# Altium PCB Quark.PcbDoc (part 2 of 4)
Units mm, origin at the board's own origin, x right, y up, seen from the top; angles counter-clockwise.
Board outline 22.28 x 31.66 mm, 6 copper layers (Top1, Signal2, Power4, Gnd3, Signal5, Bottom6), stack 0.861 mm thick; 123 components, 164 nets, 919 pads, 389 vias.
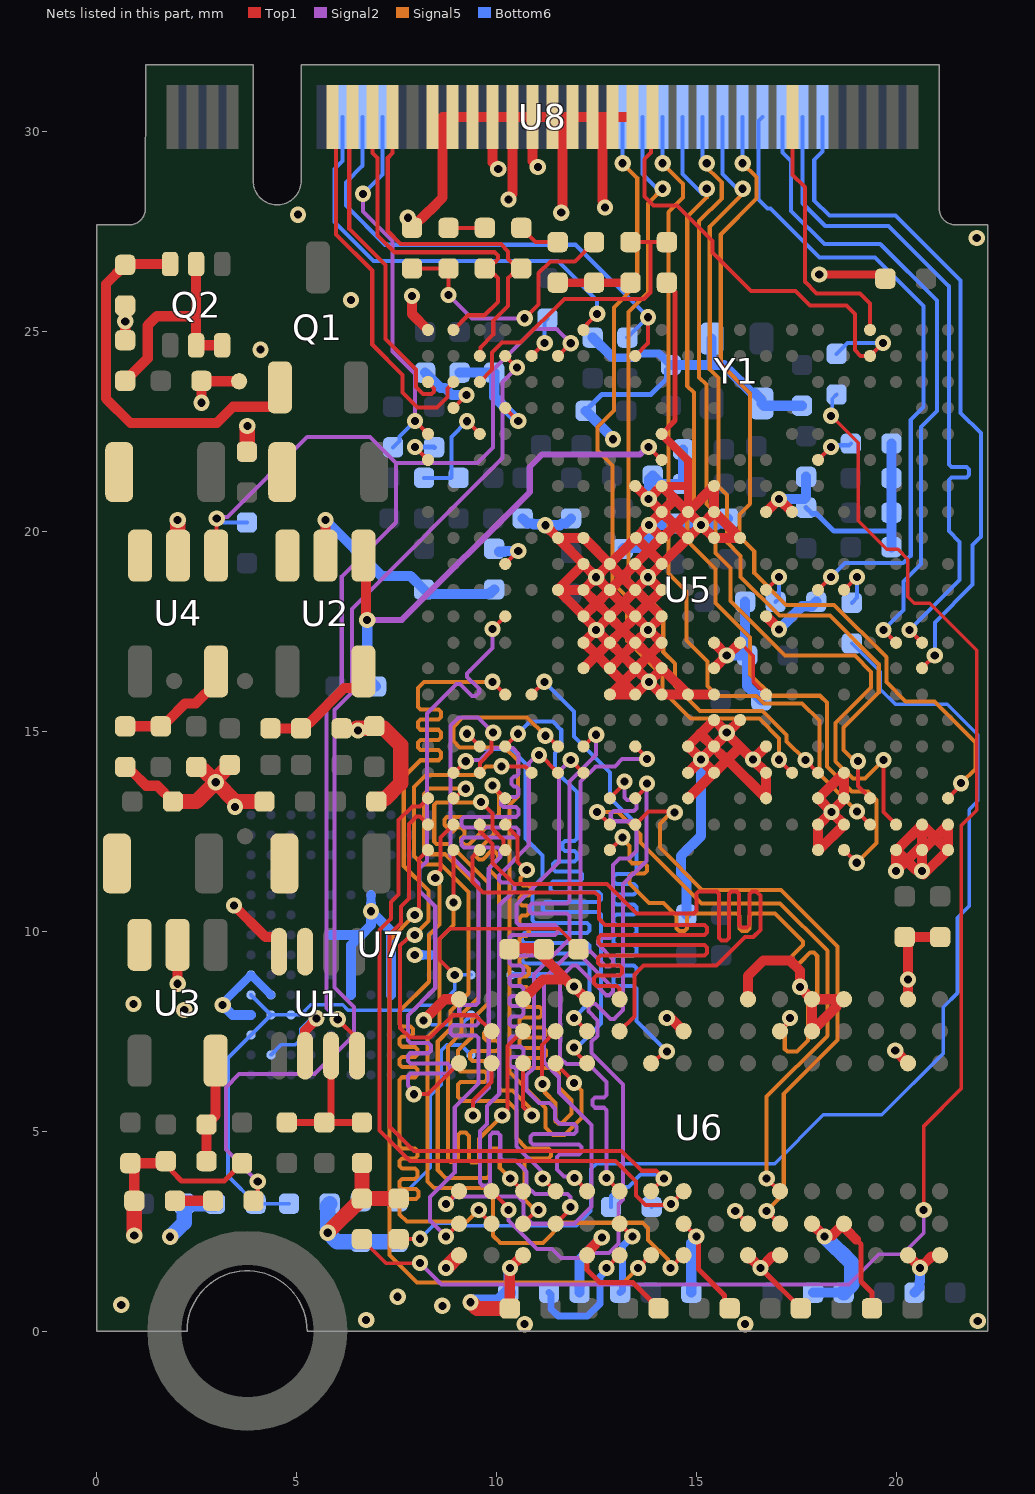
[diagram p6: the nets of this part, all layers, seen from the top]

## Via types
v1: diameter 0.406, hole 0.203, Top1 to Bottom6, tented both sides, 389 vias

## Nets (pads, with @x,y where several pads share a name; then routed paths per layer and width w, separated by ;. In a path a pad name is that pad's centre, name@x,y a point inside that pad or via, vN(x,y) a via of type N, cw(c..) or ccw(c..) an arc to the next point about the centre after c; other vN are vias at no path point) (continued)
GND: C1.1 C2.1 C3.1 C4.1 C6.1 C7.1 C8.1 C9.1 C10.1 C11.1 C13.1 C14.1 C15.1 C16.1 C17.1 C18.1 C19.1 C20.1 C21.1 C22.1 C24.1 C25.1 C26.1 C27.1 C28.1 C29.1 C30.1 C31.2 C32.1 C33.2 C34.1 C35.1 C36.1 C37.2 C38.1 C39.1 C40.1 C41.1 C42.1 C47.1 C48.2 C52.1 C53.1 C54.1 C55.1 C56.1 C57.2 C58.2 C59.1 C60.1 D1.2 D2.2 D3.2 R4.1 R5.1 R10.1 R11.1 R12.2 R13.1 R14.2 R15.2 R16.2 R19.1 R20.2 R32.1 R33.1 R35.1 T1.0 U1.4 U1.6 U2.2 U3.2 U4.2 U5.A20 U5.A21 U5.AA1 U5.B20 U5.B21 U5.C21 U5.E18 U5.E19 U5.E20 U5.F19 U5.F20 U5.F21 U5.G8 U5.H8 U5.H12 U5.H15 U5.H17 U5.H18 U5.H19 U5.J9 U5.J13 U5.J16 U5.K7 U5.K8 U5.K9 U5.K13 U5.K14 U5.K15 U5.K16 U5.K17 U5.K18 U5.L8 U5.L9 U5.L15 U5.L17 U5.L18 U5.L19 U5.M5 U5.M7 U5.M8 U5.M9 U5.M10 U5.M11 U5.M12 U5.M13 U5.M14 U5.M15 U5.N7 U5.N9 U5.N10 U5.N11 U5.N12 U5.N13 U5.N14 U5.N15 U5.P10 U5.P11 U5.P12 U5.P13 U5.P14 U5.P15 U5.R9 U5.R10 U5.R11 U5.R12 U5.R13 U5.R14 U5.T9 U5.T11 U6.A9 U6.B1 U6.B3 U6.B9 U6.D1 U6.D8 U6.E1 U6.E2 U6.E8 U6.F9 U6.G1 U6.G8 U6.G9 U6.J2 U6.J8 U6.M1 U6.M9 U6.P1 U6.P9 U6.T1 U6.T9 U7.A6 U7.C4 U7.E7 U7.G5 U7.H10 U7.J5 U7.K8 U7.N2 U7.N5 U7.P4 U7.P6 U8.27 U8.29 U8.31 U8.33 U8.35 U8.37 U8.39 U8.41 U8.43 U8.45 U8.47 Y1.2 Y1.4 | length 220.1
  Top1 w0.089: C11.1@2.612,23.759 C11.1@2.623,23.749 ; U5.J13@16.079,17.212 16.413,16.878 16.413,16.233 U5.H15@16.729,15.917
  Top1 w0.102: U6.J8@14.668,2.688 v1(14.985,2.37) ; v1(15.957,3.005) U6.G8@16.274,2.688 ; U6.B9@20.261,1.9 v1(20.579,1.583)
  Top1 w0.127: R10.1@1.671,4.201 1.743,4.201 1.875,4.068 1.875,3.997 2.113,3.759 3.186,3.759 C1.1@3.628,4.201 ; U6.M9@12.255,1.9 12.255,1.537 12.577,1.215 13.4,1.215 R19.1@14.041,0.574 ; U5.M5@14.119,22.433 14.453,22.767 14.453,25.975 14.249,26.178 C48.2@14.249,26.213 ; v1(14.985,2.37) 15.037,2.319 15.037,1.549 15.691,0.895 15.691,0.702 C14.1@15.819,0.574 ; v1(16.592,1.583) 17.597,0.577 C16.1@17.597,0.574 ; 18.979,2.294 19.101,2.173 19.101,1.245 19.375,0.97 C15.1@19.375,0.574
  Top1 w0.152: U6.J2@14.579,7.501 U6.J2@14.668,7.501
  Top1 w0.203: U8.39@11.394,30.356 U8.39@11.413,30.337 ; v1(11.608,27.965) v1@11.644,28.001 ; U8.45@12.845,30.308 U8.45@12.894,30.356 ; U5.M7@14.119,21.133 14.754,21.133 14.779,21.158 ; U5.M5@14.119,22.433 14.779,21.773 14.779,21.158 ; U5.L8@14.779,20.483 14.779,21.158 ; v1(18.059,26.416) 19.609,26.416 C52.1@19.71,26.314
  Top1 w0.254: R11.1@0.707,14.107 0.834,13.98 0.889,13.98 1.232,13.637 1.508,13.637 C9.1@1.901,13.244 ; R13.1@0.707,24.775 v1(0.707,25.248) R14.2@0.707,25.644 ; D2.2@0.935,3.261 0.935,4.101 C8.1@0.834,4.201 R10.1@1.671,4.201 ; v1(2.018,8.687) U3.2@2.018,9.658 ; v1@2.612,23.212 v1(2.612,23.214) C11.1@2.612,23.759 ; C11.1@2.623,23.749 T1.0@3.556,23.749 ; v1(3.429,10.643) 4.211,9.86 4.486,9.86 4.553,9.793 U1.4@4.553,9.489 ; U1.6@5.203,6.889 5.203,7.515 5.486,7.798 v1(5.486,7.823) ; U2.2@5.715,19.152 v1(5.715,20.281) ; v1(7.874,25.883) 7.874,25.436 U5.AA1@8.277,25.033 ; R32.1@7.878,27.584 8.31,28.016 8.317,28.016 8.644,28.343 8.644,30.356 U8.29@8.894,30.356 U8.31@9.394,30.356 U8.33@9.894,30.356 ; v1@8.219,7.823 8.697,8.301 U6.T1@9.054,8.301 ; v1@10.008,29.108 9.894,29.222 U8.33@9.894,30.356 ; v1(10.292,28.296) 10.292,28.337 10.394,28.439 U8.35@10.394,30.356 ; C55.1@10.312,9.576 10.947,9.576 11.728,8.796 11.706,8.796 ; C17.1@10.323,0.569 10.323,1.581 v1(10.324,1.583) U6.P9@10.642,1.9 ; U6.P1@10.655,8.301 11.15,8.796 11.706,8.796 ; v1@11.038,29.094 v1(11.024,29.108) 11.024,29.123 10.894,29.253 U8.37@10.894,30.356 ; v1(11.211,20.151) U5.T9@11.528,19.833 U5.R9@12.163,19.833 ; U5.T11@11.55,18.57 U5.R10@12.163,19.183 U5.T9@11.55,19.796 ; v1@11.644,28.001 11.644,30.356 ; U5.R12@12.141,17.92 U5.T11@11.528,18.533 U5.R11@12.163,18.533 ; U5.R14@12.163,16.577 12.493,16.908 ; U5.R13@12.163,17.212 v1(12.481,17.53) ; U5.R10@12.163,19.168 v1(12.481,18.851) ; U5.R13@12.211,17.19 12.493,16.908 ; U5.R9@12.211,19.796 U5.P10@12.824,19.183 ; U6.M9@12.255,1.9 12.255,1.941 12.331,2.018 12.331,2.053 v1(12.624,2.345) ; U6.M1@12.255,8.301 12.242,8.301 v1(11.925,8.618) 11.883,8.618 11.706,8.796 ; v1@12.481,17.555 U5.R12@12.163,17.873 12.493,18.203 ; v1(12.7,28.092) 12.671,28.122 12.671,28.229 12.644,28.257 12.644,30.356 ; U5.P13@12.776,17.19 12.493,16.908 ; U5.P12@12.776,17.92 12.493,18.203 ; U5.P11@12.776,18.486 12.493,18.203 ; U5.P13@12.798,17.212 v1(12.481,17.53) ; U5.P12@12.798,17.847 v1(12.481,17.53) ; U5.P11@12.798,18.533 v1(12.481,18.851) ; U5.P10@12.798,19.168 v1(12.481,18.851) ; U5.P15@12.824,15.917 U5.N15@13.459,15.917 ; U5.P13@12.824,17.212 13.141,17.53 ; U5.P12@12.824,17.873 13.141,18.19 ; U5.P11@12.824,18.533 13.141,18.851 ; U5.P14@12.846,16.53 13.154,16.222 ; U5.P13@12.846,17.19 13.141,16.895 ; U5.P12@12.846,17.825 13.141,17.53 ; U5.P11@12.846,18.486 13.141,18.19 ; U5.P10@12.846,19.146 13.141,18.851 ; U5.P10@12.866,19.22 U5.N9@13.479,19.833 ; U5.P15@12.871,15.939 13.154,16.222 ; U8.47@13.394,30.356 U8.45@12.894,30.356 12.644,30.356 ; U5.N13@13.437,17.19 13.141,16.895 ; U5.N12@13.437,17.825 13.141,17.53 ; U5.N11@13.437,18.491 13.437,18.486 13.141,18.19 ; U5.N10@13.437,19.146 13.141,18.851 ; U5.N14@13.459,16.577 13.141,16.895 ; U5.N10@13.459,19.168 v1(13.776,18.851) ; U5.N10@13.459,19.183 13.794,19.519 ; U5.N7@13.476,21.126 v1(13.794,20.808) ; U5.N14@13.506,16.599 13.801,16.895 ; U5.N13@13.506,17.19 13.801,16.895 ; U5.N12@13.506,17.92 13.789,18.203 ; U5.N11@13.506,18.486 13.789,18.203 ; v1@13.776,16.234 U5.N15@13.459,15.917 ; v1@13.776,17.555 U5.N12@13.459,17.873 13.141,18.19 ; v1@13.801,17.53 U5.M13@14.119,17.212 13.801,16.895 ; v1@13.801,18.866 U5.M10@14.119,19.183 ; v1@13.801,20.151 U5.M9@14.119,19.833 ; U5.M9@14.072,19.796 13.794,19.519 ; U5.M10@14.092,19.22 13.794,19.519 ; U5.M12@14.094,17.847 v1(13.776,17.53) U5.N13@13.459,17.212 13.141,17.53 ; U5.M11@14.094,18.533 v1(13.776,18.851) ; U5.M7@14.111,21.126 v1(13.794,20.808) ; U5.M14@14.119,16.552 v1(13.801,16.234) ; U5.M14@14.119,16.577 13.801,16.895 ; U5.M12@14.119,17.873 13.789,18.203 ; U5.M11@14.119,18.533 13.789,18.203 ; U5.M7@14.119,21.133 U5.L8@14.732,20.52 ; U5.M14@14.166,16.53 U5.L15@14.779,15.917 ; U5.M10@14.166,19.22 U5.L9@14.779,19.833 v1(15.104,20.158) ; U5.M9@14.174,19.863 14.457,20.145 ; v1@14.278,7.802 14.367,7.802 U6.J2@14.668,7.501 ; 14.412,20.766 v1(13.799,20.153) U5.N9@13.479,19.833 ; U5.L9@14.732,19.87 14.457,20.145 ; U5.L19@14.779,13.326 15.342,13.888 U5.K18@15.342,13.945 ; U5.L18@14.779,13.961 v1@15.104,14.286 ; U5.L17@14.779,14.622 v1(15.104,14.296) ; U5.L8@14.779,20.483 U5.K7@15.392,21.096 ; U5.L17@14.816,14.669 U5.K16@15.429,15.282 v1(15.747,14.964) 15.762,14.964 U5.J16@16.079,15.282 ; 15.084,14.939 15.085,14.938 15.415,14.607 15.697,14.326 ; v1@15.112,20.151 U5.K9@15.429,19.833 ; v1@15.119,20.158 15.437,20.476 15.754,20.158 ; U5.K15@15.429,15.917 U5.L15@14.779,15.917 ; U5.K14@15.429,16.577 v1(15.747,16.895) U5.K13@15.429,17.212 ; U5.K8@15.429,20.483 U5.K7@15.429,21.133 ; 15.714,14.342 15.762,14.294 U5.H19@16.729,13.326 U5.H18@16.729,13.961 v1(16.399,14.291) ; v1@15.717,14.909 U5.K17@15.429,14.622 v1(15.104,14.296) ; v1@15.762,16.895 U5.J13@16.079,17.212 ; 15.762,20.151 U5.J9@16.079,19.833 U5.K9@15.429,19.833 ; v1@15.786,14.904 v1(16.399,14.291) ; 16.042,14.574 U5.K18@15.429,13.961 v1@15.104,14.286 ; U6.G9@16.274,1.9 v1(16.592,1.583) 16.88,1.871 17.045,1.871 U6.F9@17.074,1.9 ; U6.G1@16.274,8.301 16.274,8.883 16.662,9.271 17.323,9.271 17.577,9.017 v1(17.577,8.611) 17.577,8.598 U6.E1@17.874,8.301 ; U5.H17@16.729,14.622 v1(16.399,14.291) ; U5.H12@16.729,17.873 v1(17.054,17.548) ; U5.H8@16.729,20.483 v1(17.054,20.808) ; v1@17.062,20.801 U5.G8@17.379,20.483 ; U6.E8@17.874,2.688 v1(18.192,2.37) 18.221,2.399 18.386,2.399 U6.D8@18.674,2.688 ; U5.F21@18.029,12.031 U5.F20@18.029,12.666 18.043,12.666 U5.F20@18.069,12.691 ; U5.F19@18.029,13.326 18.362,12.994 v1(18.362,12.983) ; U5.F21@18.066,12.053 U5.E20@18.679,12.666 v1(18.362,12.983) ; U5.F19@18.066,13.348 U5.E18@18.679,13.961 U5.E19@18.679,13.326 18.679,13.312 18.654,13.287 18.654,13.275 v1(18.362,12.983) ; U5.F20@18.07,12.691 v1(18.362,12.983) ; 18.487,8.114 U6.E2@17.874,7.501 U6.E1@17.874,8.301 ; U6.D1@18.674,8.301 U6.E1@17.874,8.301 ; U6.D8@18.75,2.523 18.979,2.294 ; v1(19.957,7.018) U6.B3@20.274,6.701 ; U5.C21@20.016,12.053 U5.B20@20.629,12.666 ; U6.B9@20.274,1.9 20.278,1.9 20.499,1.679 20.676,1.679 20.867,1.871 21.045,1.871 U6.A9@21.074,1.9 ; U6.B1@20.274,8.301 v1(20.274,8.796) 20.274,9.774 C22.1@20.193,9.855 C21.1@21.082,9.855 ; U5.B21@20.592,12.119 v1(19.979,11.506) U5.C21@19.979,12.031 20.475,11.535 20.6,11.535 v1(20.629,11.506) U5.B21@20.629,12.031 U5.B20@20.629,12.666 ; v1@20.666,11.418 U5.A21@21.279,12.031 ; U5.B21@20.666,12.053 U5.A20@21.279,12.666 U5.A21@21.279,12.156 ; U5.A21@21.242,12.053 U5.B20@20.629,12.666 ; U8.33@9.894,30.356 U8.35@10.394,30.356 ; U8.35@10.394,30.356 U8.37@10.894,30.356 ; U8.37@10.894,30.356 U8.39@11.394,30.356 11.644,30.356 ; 11.644,30.356 U8.41@11.894,30.356 U8.43@12.394,30.356 12.644,30.356 ; U5.R11@12.163,18.533 12.493,18.203 ; U5.R11@12.163,18.533 v1(12.481,18.851) ; 12.493,16.908 U5.P14@12.824,16.577 13.141,16.895 ; 13.141,18.851 U5.N11@13.459,18.533 v1(13.776,18.851) ; 13.154,16.222 13.484,16.552 v1(13.801,16.234) ; 13.154,16.222 U5.N15@13.459,15.917 ; U5.N9@13.479,19.833 13.794,19.519 ; v1(13.794,20.808) U5.M8@14.119,20.483 14.124,20.478 14.457,20.145 ; v1(13.801,16.234) U5.M15@14.119,15.917 U5.L15@14.779,15.917 ; 14.457,20.145 14.787,20.476 v1(15.104,20.158) ; v1@15.104,14.286 v1(15.104,14.296) ; v1(15.104,20.158) U5.K9@15.429,19.833
  Top1 w0.381: v1(0.935,2.393) D2.2@0.935,3.261 ; C9.1@1.901,13.244 2.489,13.244 v1(2.972,13.726) ; v1(2.018,20.281) 2.018,19.402 U4.2@2.028,19.392 ; C4.1@2.485,14.107 2.549,14.044 2.654,14.044 v1(2.972,13.726) ; C6.1@3.324,14.158 2.972,13.806 v1(2.972,13.726) ; C7.1@3.75,21.986 3.76,21.996 v1(3.76,22.631) ; C3.1@4.187,13.244 3.454,13.244 v1(2.972,13.726) ; v1(5.771,2.464) D3.2@6.624,3.317 ; v1@6.497,15.072 7.178,15.072 7.595,14.656 7.595,13.701 7.201,13.307 7.048,13.307 C2.1@6.985,13.244 ; R5.1@6.626,4.204 6.624,4.203 D3.2@6.624,3.317 ; D1.2@7.544,3.317 D3.2@6.624,3.317 ; v1(8.724,1.583) 9.029,1.887 9.035,1.887 9.048,1.9 U6.T9@9.054,1.9 ; v1(9.339,0.726) 9.346,0.726 9.504,0.569 C17.1@10.323,0.569
  Bottom6 w0.089: v1(3.144,8.153) v1@3.144,8.199 ; U7.P6@3.852,8.908 U7.N5@4.352,8.408 ; U7.N2@4.352,6.908 4.604,7.16 4.955,7.16 5.101,7.305 5.101,7.564 v1@5.436,7.899 ; v1(8.169,7.772) 8.255,7.772 8.367,7.66 9.104,7.66 U7.C4@9.352,7.908
  Bottom6 w0.127: C30.1@12.217,23.01 12.624,23.417 13.845,23.417 14.243,23.815 14.243,24.047 C32.1@14.351,24.155 ; v1(12.903,22.301) v1@12.903,22.324 ; C27.1@17.729,20.59 17.88,20.438 17.992,20.438 18.422,20.008 19.863,20.008
  Bottom6 w0.152: U7.A6@10.352,8.908 11.635,8.908 v1(11.925,8.618)
  Bottom6 w0.203: v1@3.144,8.199 U7.P6@3.852,8.908 U7.N5@4.352,8.408 ; 12.865,24.371 12.897,24.339 13.46,24.339 13.565,24.444 14.048,24.444 14.337,24.155 C32.1@14.351,24.155
  Bottom6 w0.23: v1@6.852,10.686 U7.H10@6.852,10.908 ; v1@8.13,9.408 U7.E7@8.352,9.408
  Bottom6 w0.254: v1(3.144,8.153) 3.389,7.908 U7.P4@3.852,7.908 ; v1(5.715,20.281) 7.111,18.885 7.836,18.885 R12.2@8.179,18.542 8.289,18.432 9.792,18.432 9.836,18.476 9.836,18.451 R20.2@9.931,18.546 ; U7.K8@5.852,9.908 6.606,9.908 ; U7.J5@6.352,8.408 6.352,9.654 6.606,9.908 ; v1@6.852,10.686 v1(6.852,10.501) ; U7.G5@7.352,8.408 7.352,10.001 v1(6.852,10.501) ; v1(7.945,9.408) v1@8.13,9.408 ; R16.2@10.287,0.965 10.287,1.504 10.324,1.541 v1(10.324,1.583) ; C47.1@10.643,20.32 10.77,20.193 10.902,20.193 10.918,20.176 11.185,20.176 v1(11.211,20.151) 11.579,20.151 11.621,20.193 11.727,20.193 C41.1@11.854,20.32 ; R15.2@12.065,0.965 12.065,1.786 v1(12.624,2.345) ; C30.1@12.217,23.01 v1@12.903,22.324 ; C10.1@12.395,24.841 12.865,24.371 ; C40.1@13.144,19.558 13.166,19.58 13.586,19.58 13.799,19.794 v1(13.799,20.153) 14.396,20.153 C34.1@14.436,20.193 15.028,20.193 15.063,20.158 v1(15.104,20.158) 15.503,20.158 15.538,20.193 15.652,20.193 C35.1@15.779,20.32 ; v1(13.794,20.808) 13.809,20.823 13.809,21.302 C39.1@13.894,21.387 14.097,21.184 C29.1@14.656,21.184 C37.2@14.656,22.047 ; C32.1@14.351,24.155 15.342,24.155 ; C24.1@14.736,10.414 14.736,11.329 14.602,11.463 14.602,11.884 15.104,12.387 v1(15.104,14.296) ; C20.1@14.859,0.965 14.859,2.202 14.985,2.329 v1(14.985,2.37) ; Y1.2@15.367,24.816 15.367,24.181 15.342,24.155 ; v1(15.747,16.895) C25.1@16.256,16.895 ; C36.1@16.205,18.237 16.205,16.946 C25.1@16.256,16.895 ; C28.1@16.612,15.773 16.256,16.129 C25.1@16.256,16.895 ; v1(17.054,17.548) 17.631,18.125 17.871,18.125 C33.2@17.983,18.237 ; v1(17.054,20.808) 17.684,20.808 17.729,20.853 C26.1@17.729,21.361 ; C31.2@17.628,23.139 16.673,23.139 Y1.4@16.617,23.196 16.617,23.283 16.446,23.455 16.373,23.455 15.672,24.155 15.342,24.155 ; C19.1@17.907,0.965 C13.1@18.669,0.965 ; C42.1@19.863,19.601 19.863,20.008 C38.1@19.863,20.463 C53.1@19.863,21.329 R33.1@19.863,22.192 ; C18.1@20.439,0.965 20.566,1.092 20.566,1.228 20.579,1.241 v1(20.579,1.583) ; 6.606,9.908 6.852,10.154 v1(6.852,10.501)
  Bottom6 w0.381: v1(1.83,2.362) 2.182,2.713 2.182,3.187 R35.1@2.184,3.19 C58.2@2.951,3.19 ; C57.2@5.819,3.19 5.771,3.142 v1(5.771,2.464) 5.778,2.464 6.006,2.235 C60.1@6.599,2.235 C59.1@7.513,2.235 ; v1(9.339,0.726) 10.048,0.726 R16.2@10.287,0.965 ; v1(18.192,2.37) 18.872,1.69 18.872,1.168 C13.1@18.669,0.965
  other v1: 10.693,0.178 16.205,0.178 22.022,0.254 6.731,0.279 8.636,0.635 0.61,0.66 7.518,0.864 14.249,7.831 2.184,8.029 0.914,8.179 3.454,13.109 6.528,15.022 4.089,24.539 6.35,25.781 21.996,27.33 7.772,27.838 5.029,27.915 10.033,29.058
GPIOA10/STATUS-LED: R36.1 U5.E11 | length 1.2
  Top1 w0.102: U5.E11@18.679,18.533 v1(19.004,18.858)
  Bottom6 w0.102: R36.1@18.872,18.212 19.004,18.344 v1(19.004,18.858)
GPIOG11: R38.1 U5.D2 U8.49 | length 11.7
  Top1 w0.102: U8.49@13.853,30.316 13.853,29.464 13.691,29.301 13.691,28.372 13.919,28.143 14.504,28.143 15.392,27.255 15.392,26.97 16.353,26.01 17.466,26.01 17.832,25.644 18.735,25.644 18.948,25.43 18.948,24.527 19.092,24.383 U5.D2@19.329,24.383 v1(19.654,24.708)
  Bottom6 w0.102: R38.1@18.491,24.435 18.765,24.708 v1(19.654,24.708)
GPIOG12/USB0-OTGID: U5.D1 U8.63 | length 6.8
  Top1 w0.102: U8.63@17.394,30.356 17.394,28.911 17.704,28.6 17.704,26.238 17.993,25.949 19.075,25.949 19.329,25.695 U5.D1@19.329,25.033
GPIOL3/K1: U5.R1 U8.18 | length 11
  Top1 w0.102: U5.R1@12.163,25.033 12.163,25.088 12.248,25.173 12.248,25.176 v1(12.506,25.434)
  Bottom6 w0.102: U8.18@6.144,30.356 6.144,29.258 5.944,29.058 5.944,27.732 6.919,26.756 11.521,26.756 12.506,25.772 v1(12.506,25.434)
GPIOL4/RECOVERY: R23.1 U5.N2 U8.20 | length 12.9
  Top1 w0.102: U5.N2@13.459,24.383 13.776,24.701 v1(13.776,25.351)
  Bottom6 w0.102: U8.20@6.644,30.356 6.644,29.138 6.223,28.717 6.223,28.143 7.203,27.163 11.964,27.163 v1(13.776,25.351) 13.267,24.841 R23.1@13.259,24.841
GPIOL8/PWR-STB: R6.1 U1.8 U4.1 U5.T2 | length 30.4
  Top1 w0.102: U4.1@2.978,19.392 2.988,19.401 2.988,20.311 v1(2.997,20.32) ; v1(6.021,7.798) 6.503,7.315 U1.8@6.503,6.889 ; U5.T2@11.528,24.383 v1(11.846,24.701)
  Signal2 w0.102: v1(2.997,20.32) 3.033,20.356 3.261,20.356 5.258,22.352 6.826,22.352 7.473,21.704 ; v1(6.021,7.798) 6.021,7.806 5.74,8.086 5.74,15.748 6.121,16.129 6.121,18.872 7.473,20.224 7.473,21.704 ; v1(11.846,24.701) 11.495,25.051 10.929,25.051 9.906,24.028 9.906,22.098 9.512,21.704 7.473,21.704
  Bottom6 w0.102: 3.181,20.218 R6.1@3.75,20.218
GPIOL9/PWR-DRAM: R1.1 U2.1 U5.M6 | length 13.1
  Top1 w0.102: v1(13.794,22.108) U5.M6@14.119,21.783
  Top1 w0.254: U2.1@6.661,19.392 6.727,19.326 6.727,17.813 v1(6.756,17.784)
  Signal2 w0.152: v1(6.756,17.784) 7.624,17.784 10.82,20.98 10.82,21.606 11.135,21.92 13.578,21.92 13.766,22.108 v1(13.794,22.108)
  Bottom6 w0.254: v1(6.756,17.784) 6.756,16.342 R1.1@6.98,16.119
GPIOL10/PWR-LED: R37.1 U5.V2 | length 26.2
  Top1 w0.102: R37.1@3.917,3.261 4.02,3.365 v1(4.02,3.746) v1@3.962,3.805 ; U5.V2@10.207,24.383 v1(10.499,24.091)
  Signal2 w0.102: v1(4.02,3.746) 3.226,4.541 3.226,6.096 3.556,6.426 5.441,6.426 6.426,7.411 6.426,8.11 5.944,8.593 5.944,15.537 6.375,15.969 6.375,18.059 10.144,21.828 10.144,23.735 v1(10.499,24.091)
I2C0_SCL: U5.F11 U8.60 | length 16.4
  Top1 w0.102: U5.F11@18.029,18.533 v1(18.354,18.858)
  Bottom6 w0.102: U8.60@16.644,30.356 16.544,30.257 16.544,29.557 16.535,29.548 16.535,28.296 16.764,28.067 16.84,28.067 18.059,26.848 19.456,26.848 20.668,25.636 20.668,23.106 20.345,22.784 20.345,19.388 20.158,19.201 18.697,19.201 v1(18.354,18.858)
I2C0_SDA: U5.C13 U8.62 | length 16.2
  Top1 w0.102: v1(19.662,17.53) U5.C13@19.979,17.212
  Bottom6 w0.102: U8.62@17.144,30.356 17.144,29.465 17.354,29.255 17.354,28.011 18.186,27.178 19.583,27.178 20.998,25.764 20.998,23.004 20.599,22.606 20.599,19.177 20.168,18.745 20.168,18.036 v1(19.662,17.53)
I2C1_SCL: U5.B13 U8.64 | length 17.2
  Top1 w0.102: v1(20.312,17.53) U5.B13@20.629,17.212
  Bottom6 w0.102: U8.64@17.644,30.356 17.644,28.2 18.208,27.635 19.787,27.635 21.297,26.124 21.297,21.666 21.361,21.603 21.735,21.603 21.799,21.539 21.799,21.412 21.735,21.349 21.361,21.349 21.297,21.285 21.297,20.003 21.565,19.736 21.565,18.783 v1(20.312,17.53)
I2C1_SDA: U5.B14 U8.66 | length 17.2
  Top1 w0.102: U5.B14@20.629,16.577 v1(20.947,16.895)
  Bottom6 w0.102: U8.66@18.144,30.356 18.144,29.497 17.932,29.286 17.932,28.27 18.313,27.889 19.966,27.889 21.59,26.265 21.59,22.962 22.098,22.454 22.098,19.863 21.895,19.66 21.895,18.669 20.947,17.721 v1(20.947,16.895)
IR-RX: R24.1 U5.U2 | length 1.1
  Top1 w0.102: U5.U2@10.868,24.383 v1(11.193,24.708)
  Bottom6 w0.102: v1(11.193,24.708) 11.193,25.247 R24.1@11.263,25.316
KEYADC: R27.2 U5.AA5 U8.22 | length 9.7
  Top1 w0.102: v1(7.952,22.758) U5.AA5@8.277,22.433
  Signal2 w0.102: v1(6.655,28.435) 6.655,27.995 7.391,27.259 7.391,24.494 7.952,23.933 v1(7.952,22.758)
  Bottom6 w0.102: v1(6.655,28.435) 7.144,28.924 U8.22@7.144,30.356 ; R27.2@7.403,22.098 7.559,22.254 7.559,22.365 v1(7.952,22.758)
LINEOUTL: U5.AA3 U8.19 | length 8.3
  Top1 w0.102: U8.19@6.394,30.356 6.309,30.272 6.309,27.559 7.214,26.654 7.214,24.802 7.972,24.044 7.972,23.607 8.151,23.428 8.37,23.428 8.429,23.488 8.429,23.572 8.277,23.724 U5.AA3@8.277,23.733
LINEOUTR: U5.Y3 U8.17 | length 9.4
  Top1 w0.102: U8.17@5.894,30.356 5.978,30.272 5.978,27.423 6.883,26.518 6.883,24.666 7.642,23.907 7.642,23.47 8.014,23.098 8.507,23.098 8.76,23.351 8.76,23.572 8.912,23.724 U5.Y3@8.912,23.733
MBIAS: C48.1 R29.2 U5.W3 | length 7.6
  Top1 w0.102: U5.W3@9.572,23.733 9.881,24.041 9.881,24.47 10.124,24.714 10.592,24.714 11.684,25.806 13.68,25.806 13.843,25.969 13.843,27.229 ; R29.2@13.339,27.229 13.843,27.229 ; C48.1@14.249,27.229 13.843,27.229
MIC1N: C51.2 R31.2 | length 0.9
  Top1 w0.102: R31.2@8.789,27.584 C51.2@9.699,27.584
MIC1P: C49.2 R30.1 | length 1.1
  Top1 w0.102: C49.2@10.609,27.584 10.964,27.229 R30.1@11.519,27.229
MICIN1N: C51.1 U5.Y1 U8.21 | length 9.2
  Top1 w0.102: U8.21@6.894,30.356 6.894,29.454 7.017,29.331 7.017,27.397 7.439,26.975 9.941,26.975 10.027,26.89 10.027,26.805 9.946,26.725 9.855,26.725 C51.1@9.699,26.568 9.855,26.412 9.946,26.412 10.027,26.331 10.027,25.734 9.693,25.4 9.279,25.4 U5.Y1@8.912,25.033
MICIN1P: C49.1 U5.W2 U8.23 | length 9.4
  Top1 w0.102: U8.23@7.394,30.356 7.394,29.46 7.271,29.337 7.271,27.502 7.595,27.178 10.097,27.178 10.281,26.995 10.281,26.805 10.361,26.725 10.452,26.725 C49.1@10.609,26.568 10.452,26.412 10.361,26.412 10.281,26.331 10.281,25.628 9.908,25.256 9.908,24.919 9.586,24.597 9.586,24.397 U5.W2@9.572,24.383 U5.W2@9.567,24.383
NetC5_1: C5.1 R2.1 R5.2 U1.7 | length 3.6
  Top1 w0.178: C5.1@4.746,5.22 R2.1@5.686,5.22 ; U1.7@5.853,6.889 5.853,5.408 5.686,5.241 R2.1@5.686,5.22 ; R5.2@6.626,5.22 R2.1@5.686,5.22
NetC33_1: C33.1 U5.H11 | length 1.1
  Top1 w0.102: U5.H11@16.729,18.533 v1(17.054,18.858)
  Bottom6 w0.102: C33.1@16.967,18.237 17.054,18.324 v1(17.054,18.858)
NetC43_1: C43.1 U5.Y4 | length 1.7
  Top1 w0.102: U5.Y4@8.912,23.083 v1(9.237,23.408)
  Bottom6 w0.254: C43.1@8.204,23.966 8.587,23.584 8.702,23.584 8.878,23.408 v1(9.237,23.408)
NetC44_2: C44.2 R25.2 U5.W5 | length 2.7
  Top1 w0.102: v1(9.255,22.751) U5.W5@9.572,22.433
  Bottom6 w0.102: C44.2@8.179,21.336 8.856,21.336 8.865,21.344 8.865,22.36 v1(9.255,22.751)
NetC45_2: C45.2 C46.2 U5.V4 | length 2.8
  Top1 w0.102: U5.V4@10.207,23.083 v1(10.532,22.758)
  Bottom6 w0.254: C46.2@9.068,23.966 C45.2@9.931,23.966 9.931,23.359 v1(10.532,22.758)
NetC50_1: C50.1 R31.1 R32.2 | length 6.7
  Top1 w0.102: R32.2@7.878,26.568 R31.1@8.789,26.568 v1(8.789,25.908) ; v1(10.693,25.324) 11.04,25.671 11.04,26.45 11.336,26.746 11.946,26.746 C50.1@12.429,27.229
  Signal2 w0.102: v1(8.789,25.908) 9.373,25.324 v1(10.693,25.324)
NetC50_2: C50.2 R29.1 R30.2 | length 1.8
  Top1 w0.203: R30.2@11.519,26.213 C50.2@12.429,26.213 R29.1@13.339,26.213
NetC57_1: C57.1 C58.1 R34.2 U7.C6 U7.M4 U7.N4 U7.P3 U7.P5 | length 17.6
  Top1 w0.089: v1(8.945,8.908) 8.56,9.294 8.56,9.804 8.814,10.058 11.557,10.058 R34.2@12.04,9.576
  Bottom6 w0.089: U7.P5@3.852,8.408 U7.N4@4.352,7.908 ; C57.1@4.803,3.19 C58.1@3.967,3.19 3.277,3.881 3.277,6.832 U7.P3@3.852,7.408 U7.N4@4.352,7.908 ; U7.C6@9.352,8.908 9.13,8.908 v1(8.945,8.908) 8.945,8.539 8.554,8.148 8.05,8.148 7.93,8.028 6.275,8.028 6.143,8.16 5.347,8.16 5.101,7.913 4.858,7.913 U7.M4@4.852,7.908 U7.N4@4.352,7.908